# Allegro board RK_EVB7_RK3588_LP4XD200P232SD8_V11_20230111YWQ.brd (continued)
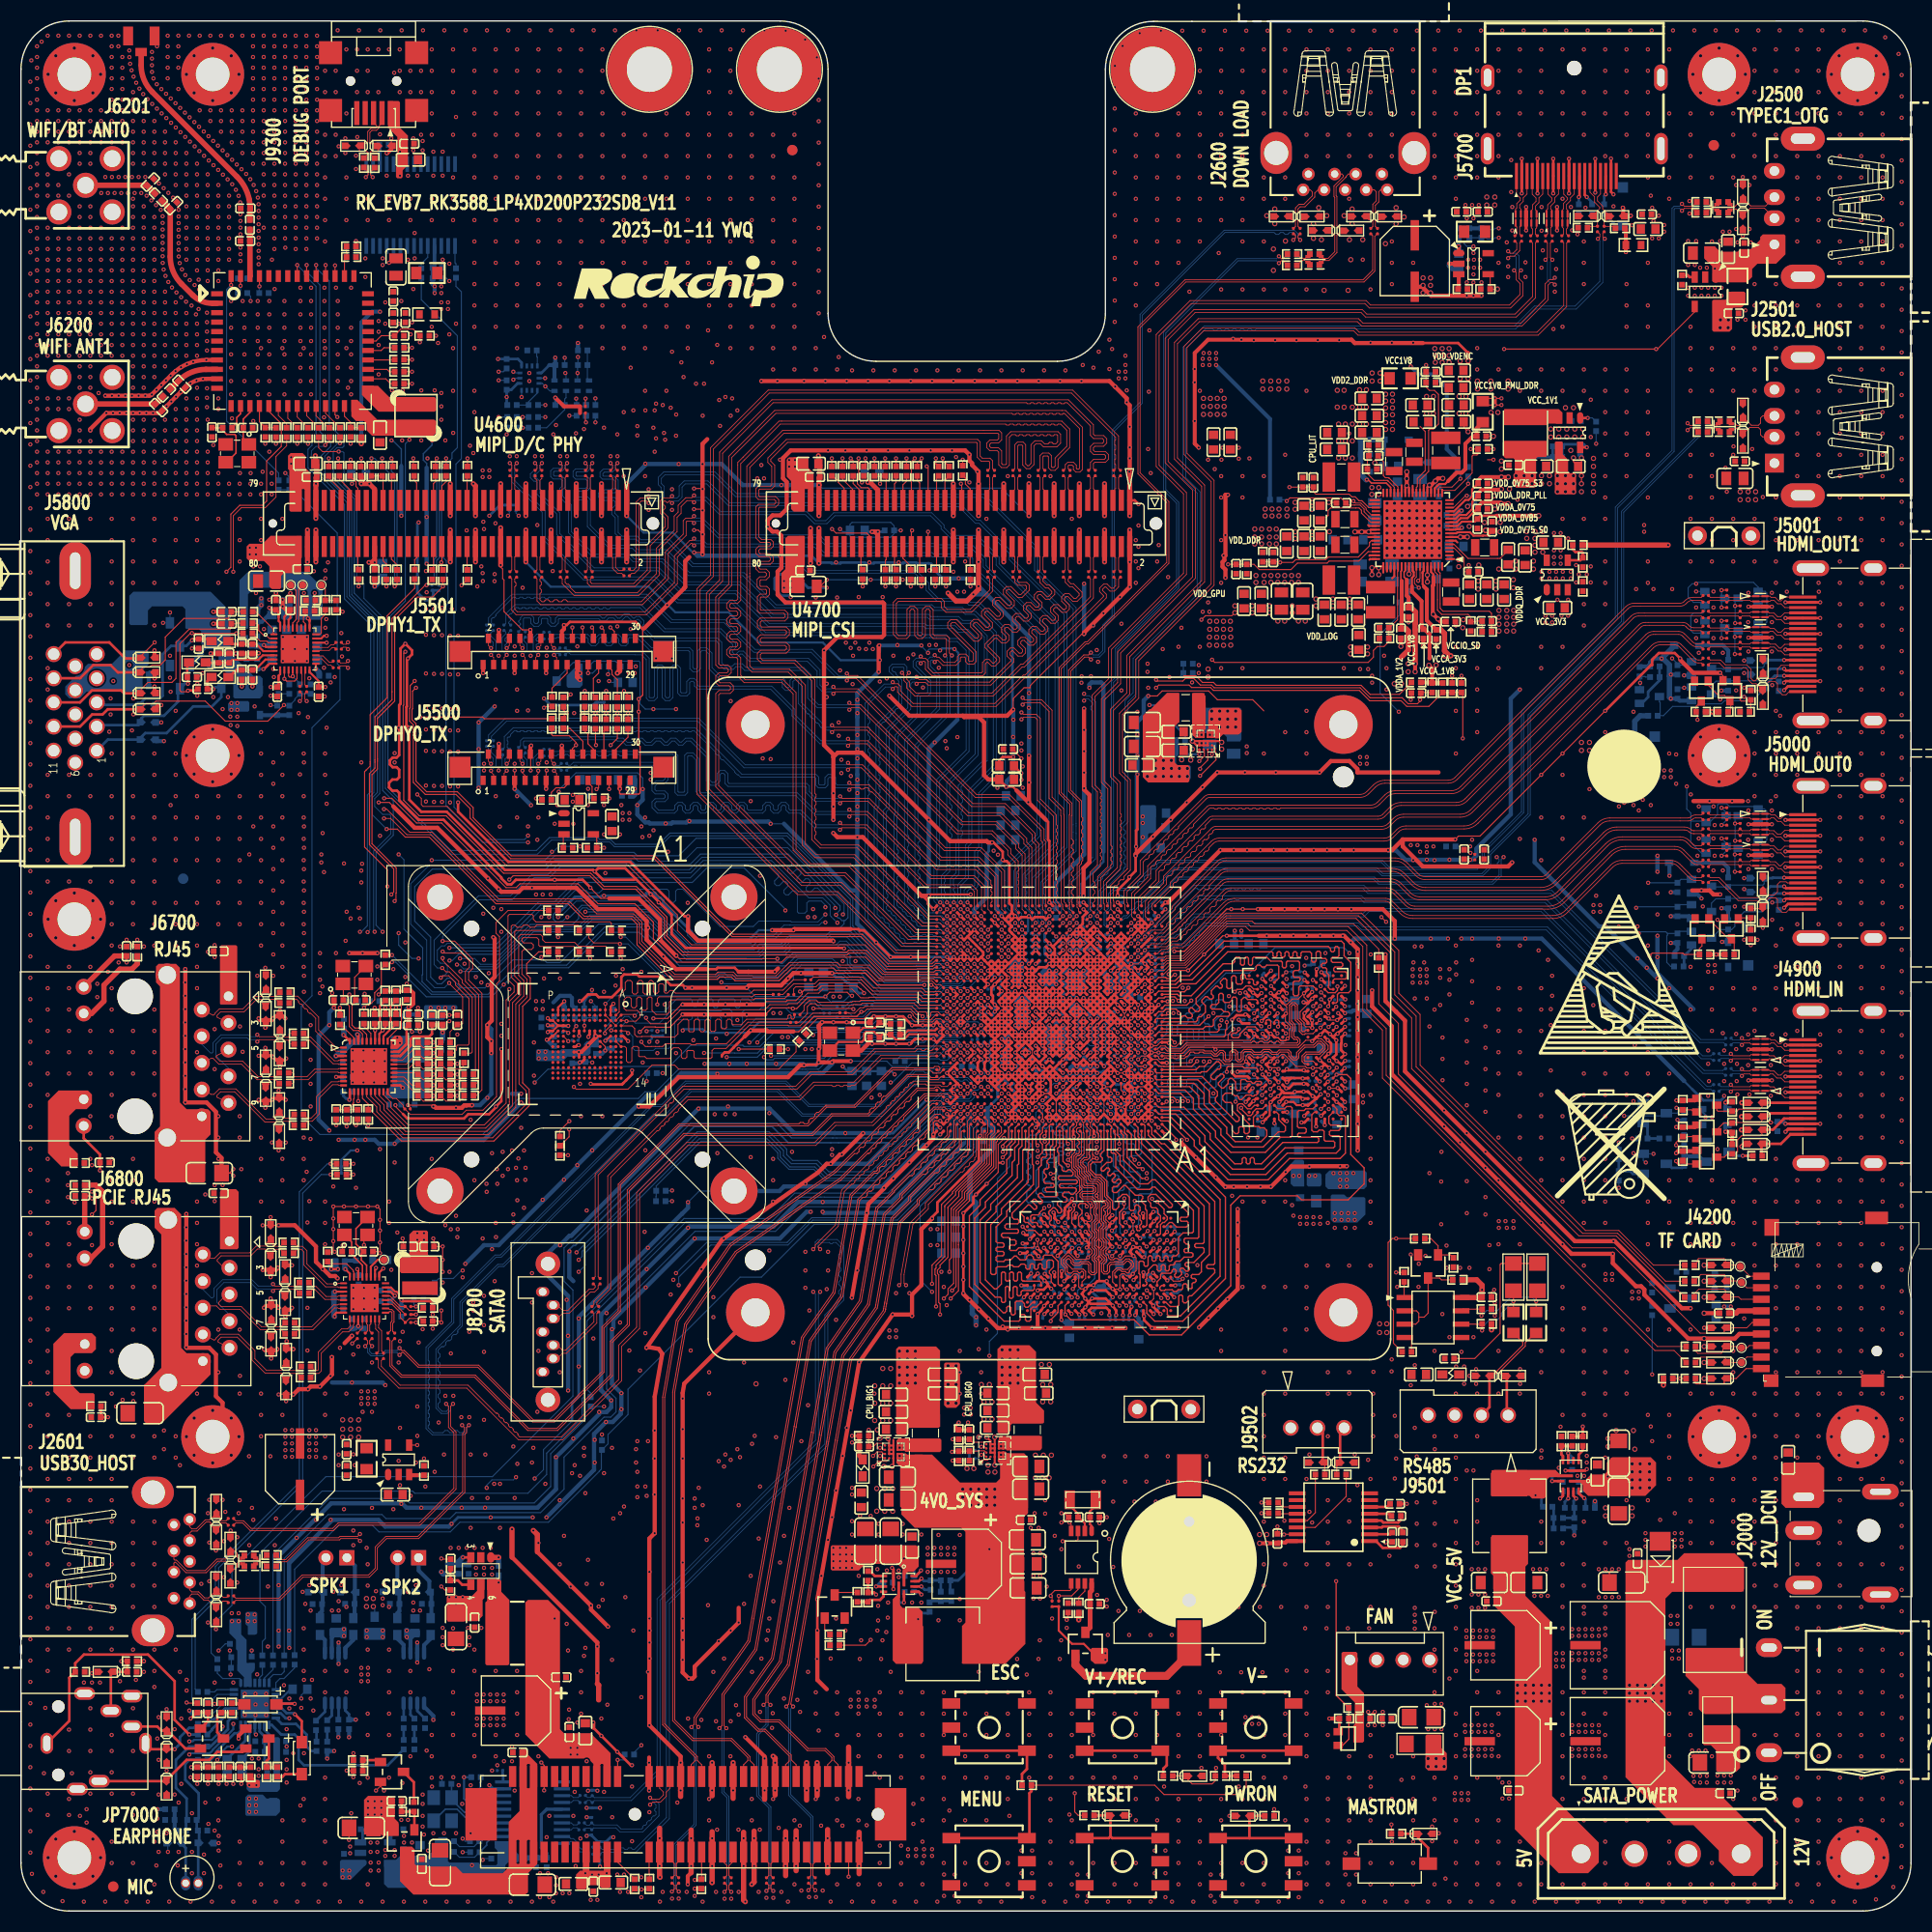
[diagram p0: board, top side]
## Routing (per net, layer and track width the routed paths; a pad name or vN(x,y) marks a point on that pad's centre or on a via; arc(x,y) is an arc through that point) (continued)
v1(73.66,163.07) v1(73.66,161.04) v1(73.66,159) v1(73.66,156.97) v1(73.66,154.94) v1(73.66,152.91) v1(73.66,150.88) v1(73.66,148.84) v1(73.66,146.81) v1(73.66,8.64) v1(73.66,2.54) v1(73.94,20.11) v1(74.17,8.13) v1(74.19,18.96) v1(74.32,44.74) v1(74.32,1.95) v1(74.68,178.23) v1(74.7,62.78) v1(74.96,48.17) v1(74.96,22.77) v1(75.06,1.33) v1(75.69,148.84) v1(75.69,146.81) v1(75.69,125.1) v1(75.69,20.83) v1(75.69,18.8) v1(75.69,10.67) v1(75.71,1.33) v1(75.8,176.54) v1(75.82,24) v1(75.97,174.51) v1(75.97,172.48) v1(75.97,17.19) v1(76.23,31.92) v1(76.2,8.13) v1(76.35,1.95) v1(76.73,116.88) v1(76.73,115.61) v1(76.86,139.11) v1(76.86,62.78) v1(76.86,35.35) v1(77.11,24.04) v1(77.11,0.89) v1(77.24,37.51) v1(77.38,106.45) v1(77.38,105.18) v1(77.62,128.44) v1(77.62,56.3) v1(77.62,40.05) v1(77.72,146.81) v1(77.72,125.1) v1(77.72,20.83) v1(77.72,18.8) v1(77.72,16.76) v1(77.72,10.67) v1(77.72,8.64) v1(77.72,2.54) v1(77.88,113.2) v1(78,118.15) v1(78.13,109.64) v1(78.13,108.37) v1(78.23,8.13) v1(78.51,139.11) v1(78.56,120.79) v1(78.64,46.01) v1(79.02,47.67) v1(79.15,37.12) v1(79.15,35.85) v1(79.14,0.89) v1(79.2,116.84) v1(79.45,120.79) v1(79.65,115.36) v1(79.65,114.09) v1(79.65,110.66) v1(79.65,109.77) v1(79.65,107.74) v1(79.65,106.47) v1(79.65,105.2) v1(79.65,103.93) v1(79.78,125.14) v1(79.78,31.92) v1(79.76,20.83) v1(79.76,18.8) v1(79.76,16.76) v1(79.76,14.73) v1(79.76,10.67) v1(79.76,8.64) v1(79.76,2.54) v1(79.88,24) v1(79.91,37.63) v1(80.01,25.78) v1(80.54,139.11) v1(80.54,8.17) v1(80.8,128.44) v1(80.8,120.79) v1(80.92,126.79) v1(80.92,37.63) v1(81.01,77.47) v1(81.17,0.89) v1(81.28,49.28) v1(81.31,13.12) v1(81.56,32.55) v1(81.69,36.87) v1(81.69,35.85) v1(81.63,29.07) v1(81.79,77.72) v1(81.79,20.83) v1(81.79,18.8) v1(81.79,16.76) v1(81.79,14.73) v1(81.79,12.7) v1(81.79,6.22) v1(81.79,4.57) v1(81.79,2.54) v1(81.92,24) v1(82.07,125.14) v1(82.04,25.78) v1(82.45,117.39) v1(82.46,32.43) v1(82.58,139.11) v1(82.58,29.38) v1(82.83,22.77) v1(83.2,0.89) v1(83.46,120.56) v1(83.59,128.44) v1(83.59,32.43) v1(83.59,31.79) v1(83.82,20.83) v1(83.82,18.8) v1(83.82,16.76) v1(83.82,14.73) v1(83.82,12.7) v1(83.82,6.22) v1(83.82,4.57) v1(83.82,2.54) v1(83.97,126.79) v1(83.97,36.87) v1(83.97,35.85) v1(84.48,119.29) v1(84.61,139.11) v1(84.86,29.38) v1(84.99,119.67) v1(84.99,10.2) v1(84.99,8.3) v1(85.23,0.89) v1(85.75,35.85) v1(85.75,29.38) v1(85.85,20.83) v1(85.85,18.8) v1(85.85,16.76) v1(85.85,14.73) v1(85.85,12.7) v1(85.85,10.67) v1(85.85,8.64) v1(85.85,6.6) v1(85.85,4.57) v1(85.85,2.54) v1(85.9,116.53) v1(86.35,34.58) v1(86.35,33.95) v1(86.35,32.3) v1(86.64,139.11) v1(86.99,34.58) v1(86.99,33.95) v1(86.99,32.3) v1(87.27,0.89) v1(87.38,35.81) v1(87.41,118.4) v1(87.66,60.87) v1(87.62,34.58) v1(87.62,33.95) v1(87.62,32.3) v1(87.88,59.44) v1(87.88,20.83) v1(87.88,18.8) v1(87.88,16.76) v1(87.88,12.7) v1(87.88,10.67) v1(87.88,8.64) v1(87.88,4.57) v1(87.91,3.47) v1(87.91,1.44) v1(88.16,57.7) v1(88.26,34.58) v1(88.26,33.95) v1(88.26,32.3) v1(88.42,9.57) v1(88.89,34.58) v1(88.89,33.95) v1(88.89,32.3) v1(88.93,3.47) v1(88.93,1.44) v1(89.18,111.8) v1(89.3,0.89) v1(89.41,53.34) v1(89.41,51.31) v1(89.41,49.28) v1(89.41,35.81) v1(89.41,29.72) v1(89.92,128.52) v1(89.92,20.83) v1(89.92,18.8) v1(89.92,16.76) v1(89.92,14.73) v1(89.92,12.7) v1(89.92,10.67) v1(89.92,8.64) v1(89.92,4.57) v1(89.92,2.54) v1(91.08,137.07) v1(91.21,53.51) v1(91.21,22.77) v1(91.33,0.89) v1(91.44,51.31) v1(91.44,49.28) v1(91.95,132.59) v1(91.95,55.37) v1(91.95,20.83) v1(91.95,18.8) v1(91.95,16.76) v1(91.95,14.73) v1(91.95,12.7) v1(91.95,10.67) v1(91.95,8.64) v1(91.95,4.57) v1(91.95,2.54) v1(92.74,83.7) v1(92.99,106.97) v1(93.36,0.89) v1(93.39,79.8) v1(93.5,72.3) v1(93.98,136.65) v1(93.98,55.37) v1(93.98,20.83) v1(93.98,18.8) v1(93.98,16.76) v1(93.98,14.73) v1(93.98,12.7) v1(93.98,10.67) v1(93.98,4.57) v1(93.98,2.54) v1(94.13,9.06) v1(94.51,113.45) v1(94.87,24) v1(95.28,5.76) v1(95.28,3.6) v1(95.28,1.31) v1(95.34,77.2) v1(95.78,22.52) v1(95.99,114.59) v1(96.01,20.83) v1(96.01,18.8) v1(96.01,16.76) v1(96.01,12.7) v1(96.16,36.49) v1(96.29,5.76) v1(96.29,3.6) v1(96.29,1.31) v1(96.42,34.08) v1(96.42,31.92) v1(96.42,29.76) v1(96.55,37.89) v1(96.64,79.15) v1(96.82,72.4) v1(96.8,71.29) v1(96.93,36.49) v1(96.9,24) v1(97.05,34.08) v1(97.05,31.92) v1(97.05,29.76) v1(97.03,25.78) v1(97.43,0.89) v1(97.54,39.12) v1(97.54,37.85) v1(97.54,33.78) v1(97.69,30.9) v1(98.04,136.65) v1(98.04,20.83) v1(98.04,18.8) v1(98.04,16.76) v1(98.04,14.73) v1(98.04,12.7) v1(98.04,10.67) v1(98.04,8.64) v1(98.04,6.6) v1(98.04,4.57) v1(98.04,2.54) v1(98.2,27.85) v1(98.45,35.73) v1(98.59,90.85) v1(98.93,24) v1(99.09,34.46) v1(99.06,25.78) v1(99.46,0.89) v1(99.72,72.56) v1(99.85,9.18) v1(100.08,132.59) v1(100.08,18.8) v1(100.08,16.76) v1(100.08,14.73) v1(100.08,12.7) v1(100.08,8.64) v1(100.08,6.6) v1(100.08,4.57) v1(100.08,2.54) v1(100.61,3.47) v1(100.61,1.44) v1(100.74,32.81) v1(101.49,0.89) v1(101.63,3.47) v1(101.63,1.44) v1(102.13,146.98) v1(102.11,122.43) v1(102.11,20.83) v1(102.11,18.8) v1(102.11,16.76) v1(102.11,12.7) v1(102.11,10.67) v1(102.11,4.57) v1(102.45,120.09) v1(102.49,90.2) v1(102.46,72.76) v1(102.49,30.1) v1(102.58,118.97) v1(102.9,56.94) v1(103.15,127.04) v1(103.14,86.3) v1(103.12,43.31) v1(103.12,40.89) v1(103.4,29.63) v1(103.4,29) v1(103.51,26.29) v1(103.52,0.89) v1(103.66,146.85) v1(103.63,35.43) v1(103.91,148.76) v1(104.01,38.99) v1(104.01,32.77) v1(104.18,175.73) v1(104.17,173.7) v1(104.14,20.83) v1(104.14,18.8) v1(104.14,16.76) v1(104.14,14.73) v1(104.14,12.7) v1(104.14,10.67) v1(104.14,4.57) v1(104.14,2.54) v1(104.52,28.58) v1(104.67,125.14) v1(104.6,72.56) v1(104.8,122.6) v1(104.8,116.25) v1(104.92,177.62) v1(105.08,67.86) v1(105.18,148.12) v1(105.16,43.31) v1(105.16,40.89) v1(105.31,144.82) v1(105.54,26.29) v1(105.55,0.89) v1(105.66,35.43) v1(106.05,38.99) v1(106.05,32.77) v1(106.17,171.2) v1(106.17,169.16) v1(106.17,167.13) v1(106.17,165.1) v1(106.17,163.07) v1(106.17,161.04) v1(106.17,159) v1(106.17,156.97) v1(106.17,154.94) v1(106.17,152.91) v1(106.17,130.56) v1(106.17,128.52) v1(106.17,126.49) v1(106.17,20.83) v1(106.17,18.8) v1(106.17,16.76) v1(106.17,14.73) v1(106.17,12.7) v1(106.17,10.67) v1(106.17,8.64) v1(106.17,4.57) v1(106.17,2.54) v1(106.32,114.21) v1(106.32,112.05) v1(106.32,110.02) v1(106.43,131.95) v1(106.43,129.92) v1(106.43,127.89) v1(106.48,71.16) v1(106.55,178.84) v1(106.55,28.58) v1(107.19,43.31) v1(107.19,40.89) v1(107.29,118.79) v1(107.28,118.01) v1(107.21,70.27) v1(107.34,139.23) v1(107.35,116.5) v1(107.47,150.54) v1(107.42,144.69) v1(107.57,26.29) v1(107.59,0.89) v1(107.59,136.95) v1(107.72,67.83) v1(107.7,35.43) v1(107.98,5.76) v1(107.98,3.6) v1(107.98,1.31) v1(108.08,38.99) v1(108.08,32.77) v1(108.2,169.16) v1(108.2,167.13) v1(108.2,165.1) v1(108.2,163.07) v1(108.2,161.04) v1(108.2,159) v1(108.2,156.97) v1(108.2,154.94) v1(108.2,128.52) v1(108.2,20.83) v1(108.2,18.8) v1(108.2,16.76) v1(108.2,10.67) v1(108.2,8.64) v1(108.36,130.09) v1(108.56,179.07) v1(108.59,28.58) v1(108.74,120.18) v1(108.86,11.85) v1(108.99,5.76) v1(108.99,3.6) v1(108.99,1.31) v1(109.25,127.04) v1(109.22,43.31) v1(109.22,40.89) v1(109.5,103.93) v1(109.63,77.1) v1(109.6,26.29) v1(109.62,0.89) v1(109.7,86.68) v1(109.75,85.51) v1(109.73,35.43) v1(110.11,38.99) v1(110.11,32.77) v1(110.24,171.2) v1(110.24,169.16) v1(110.24,167.13) v1(110.24,165.1) v1(110.24,163.07) v1(110.24,161.04) v1(110.24,159) v1(110.24,156.97) v1(110.24,120.4) v1(110.24,20.83) v1(110.24,18.8) v1(110.24,16.76) v1(110.24,14.73) v1(110.24,10.67) v1(110.24,8.64) v1(110.24,6.6) v1(110.24,4.57) v1(110.24,2.54) v1(110.52,122.21) v1(110.6,179.07) v1(110.62,28.58) v1(110.83,86.67) v1(111.02,105.58) v1(111.28,154.22) v1(111.53,117.01) v1(111.65,0.89) v1(112.17,118.66) v1(112.17,117.9) v1(112.27,177.29) v1(112.27,175.26) v1(112.27,173.23) v1(112.27,171.2) v1(112.27,169.16) v1(112.27,167.13) v1(112.27,165.1) v1(112.27,163.07) v1(112.27,161.04) v1(112.27,159) v1(112.27,144.78) v1(112.27,120.4) v1(112.27,20.83) v1(112.27,18.8) v1(112.27,16.76) v1(112.27,14.73) v1(112.27,10.67) v1(112.27,8.64) v1(112.27,6.6) v1(112.27,4.57) v1(112.27,2.54) v1(112.42,13.63) v1(112.63,179.07) v1(112.65,80.91) v1(112.8,39.03) v1(112.8,35.47) v1(112.9,43.31) v1(112.9,40.89) v1(113.06,124.63) v1(113.31,3.47) v1(113.31,1.44) v1(113.68,0.89) v1(113.92,28.96) v1(114.07,157.9) v1(114.17,22.73) v1(114.3,177.29) v1(114.3,175.26) v1(114.3,173.23) v1(114.3,171.2) v1(114.3,169.16) v1(114.3,167.13) v1(114.3,165.1) v1(114.3,163.07) v1(114.3,161.04) v1(114.3,154.43) v1(114.3,144.78) v1(114.33,138.22) v1(114.3,136.65) v1(114.3,134.62) v1(114.3,130.56) v1(114.3,126.49) v1(114.3,118.36) v1(114.3,55.37) v1(114.3,53.34) v1(114.3,20.83) v1(114.3,18.8) v1(114.3,16.76) v1(114.3,10.67) v1(114.3,8.64) v1(114.3,4.57) v1(114.33,3.47) v1(114.33,1.44) v1(114.43,139.36) v1(114.66,179.07) v1(115.44,149.73) v1(115.71,0.89) v1(115.98,139.36) v1(115.98,138.31) v1(115.95,28.96) v1(115.98,11.85) v1(116.21,22.73) v1(116.33,177.29) v1(116.33,175.26) v1(116.33,173.23) v1(116.33,171.2) v1(116.33,169.16) v1(116.33,167.13) v1(116.33,165.1) v1(116.33,163.07) v1(116.33,161.04) v1(116.33,159) v1(116.33,154.43) v1(116.33,136.65) v1(116.33,134.62) v1(116.33,118.36) v1(116.33,67.56) v1(116.33,59.44) v1(116.33,20.83) v1(116.33,14.73) v1(116.33,10.67) v1(116.33,4.57) v1(116.33,2.54) v1(116.69,179.08) v1(116.74,110.91) v1(116.74,110.28) v1(116.99,138.34) v1(117.41,149.61) v1(117.75,0.89) v1(117.98,28.96) v1(118.24,22.73) v1(118.36,177.29) v1(118.36,175.26) v1(118.36,173.23) v1(118.36,171.2) v1(118.36,165.1) v1(118.36,163.07) v1(118.36,159) v1(118.36,154.43) v1(118.36,136.65) v1(118.36,110.24) v1(118.36,67.56) v1(118.36,59.44) v1(118.36,51.31) v1(118.36,49.28) v1(118.36,47.24) v1(118.36,45.21) v1(118.36,43.18) v1(118.36,41.15) v1(118.36,37.08) v1(118.36,33.02) v1(118.36,30.99) v1(118.36,20.83) v1(118.36,16.76) v1(118.36,14.73) v1(118.36,12.7) v1(118.36,10.67) v1(118.36,4.57) v1(118.36,2.54) v1(118.72,179.08) v1(119.44,149.61) v1(119.78,0.89) v1(120.02,28.96) v1(120.32,37.17) v1(120.4,177.29) v1(120.4,175.26) v1(120.4,173.23) v1(120.4,171.2) v1(120.4,165.1) v1(120.4,163.07) v1(120.4,154.43) v1(120.4,138.68) v1(120.4,112.27) v1(120.4,69.6) v1(120.4,67.56) v1(120.4,59.44) v1(120.4,55.37) v1(120.4,53.34) v1(120.4,49.28) v1(120.4,43.18) v1(120.4,41.15) v1(120.4,33.02) v1(120.4,20.83) v1(120.4,18.8) v1(120.4,16.76) v1(120.4,12.7) v1(120.4,8.64) v1(120.52,88.76) v1(120.55,22.9) v1(120.68,5.76) v1(120.68,3.6) v1(120.68,1.31) v1(120.76,179.08) v1(121.06,89.98) v1(121.06,67.22) v1(121.18,66.22) v1(121.47,149.61) v1(121.69,5.76) v1(121.69,3.6) v1(121.69,1.31) v1(122.3,26.92) v1(122.33,11.85) v1(122.43,177.29) v1(122.43,175.26) v1(122.43,173.23) v1(122.43,171.2) v1(122.43,169.16) v1(122.43,167.13) v1(122.43,154.43) v1(122.43,144.78) v1(122.43,114.3) v1(122.43,112.27) v1(122.43,110.24) v1(122.43,61.47) v1(122.43,59.44) v1(122.43,57.4) v1(122.43,55.37) v1(122.43,41.15) v1(122.43,33.02) v1(122.43,28.96) v1(122.43,22.86) v1(122.43,20.83) v1(122.43,18.8) v1(122.43,16.76) v1(122.43,14.73) v1(122.43,10.67) v1(122.43,8.64) v1(122.43,6.6) v1(122.43,4.57) v1(122.43,2.54) v1(122.79,179.08) v1(122.71,43.47) v1(122.71,38.01) v1(122.96,37) v1(123.51,149.61) v1(123.77,88.08) v1(123.84,0.89) v1(124.33,26.92) v1(124.46,177.29) v1(124.46,175.26) v1(124.46,173.23) v1(124.46,171.2) v1(124.46,169.16) v1(124.46,167.13) v1(124.46,65.53) v1(124.46,61.47) v1(124.46,51.31) v1(124.46,49.28) v1(124.46,45.21) v1(124.46,39.12) v1(124.46,37.08) v1(124.46,35.05) v1(124.46,33.02) v1(124.46,28.96) v1(124.46,22.86) v1(124.46,20.83) v1(124.46,16.76) v1(124.46,12.7) v1(124.46,10.67) v1(124.46,8.64) v1(124.46,6.6) v1(124.46,4.57) v1(124.46,2.54) v1(124.82,179.08) v1(125.12,65.06) v1(125.54,149.61) v1(125.87,0.89) v1(125.98,118.36) v1(126.14,65.06) v1(126.14,5.5) v1(126.14,3.47) v1(126.37,26.92) v1(126.49,177.29) v1(126.49,175.26) v1(126.49,173.23) v1(126.49,171.2) v1(126.49,169.16) v1(126.49,167.13) v1(126.49,163.07) v1(126.49,140.72) v1(126.49,61.47) v1(126.49,51.31) v1(126.49,49.28) v1(126.49,39.12) v1(126.49,37.08) v1(126.49,33.02) v1(126.49,14.73) v1(126.49,12.7) v1(126.49,10.67) v1(126.49,8.64) v1(126.49,6.6) v1(126.49,2.54) v1(126.85,179.08) v1(127.03,65.06) v1(127.03,43.47) v1(127.15,5.5) v1(127.15,3.47) v1(127.79,157.27) v1(127.81,77.64) v1(127.81,77) v1(127.91,0.89) v1(128.3,42.97) v1(128.4,26.92) v1(128.52,177.29) v1(128.52,175.26) v1(128.52,173.23) v1(128.52,171.2) v1(128.52,169.16) v1(128.52,167.13) v1(128.52,154.43) v1(128.52,149.35) v1(128.55,91.1) v1(128.52,83.82) v1(128.52,81.79) v1(128.52,79.76) v1(128.52,77.72) v1(128.52,75.69) v1(128.52,73.66) v1(128.52,71.63) v1(128.52,69.6) v1(128.52,67.56) v1(128.52,65.53) v1(128.52,61.47) v1(128.52,41.15) v1(128.52,33.02) v1(128.52,28.96) v1(128.52,16.76) v1(128.52,14.73) v1(128.52,12.7) v1(128.55,11.85) v1(128.52,10.67) v1(128.52,8.64) v1(128.52,6.6) v1(128.52,4.57) v1(128.52,2.54) v1(128.78,49.28) v1(128.78,47.24) v1(128.78,45.21) v1(128.88,179.08) v1(128.8,51.35) v1(129.94,0.89) v1(130.05,118.36) v1(130.05,116.33) v1(130.56,177.29) v1(130.56,175.26) v1(130.56,173.23) v1(130.56,171.2) v1(130.56,169.16) v1(130.56,167.13) v1(130.56,159) v1(130.56,156.97) v1(130.56,154.94) v1(130.56,149.35) v1(130.54,52.53) v1(130.53,51.39) v1(130.56,14.73) v1(130.56,10.67) v1(130.56,6.6) v1(130.56,4.57) v1(130.56,2.54) v1(130.84,47.16) v1(130.84,41.19) v1(130.92,179.08) v1(130.96,43.09) v1(131.06,59.44) v1(131.97,0.89) v1(132.36,62.52) v1(132.36,50.08) v1(132.59,177.29) v1(132.59,175.26) v1(132.59,173.23) v1(132.59,171.2) v1(132.59,156.97) v1(132.59,149.35) v1(132.59,100.08) v1(132.59,14.73) v1(132.59,12.7) v1(132.59,10.67) v1(132.59,8.64) v1(132.59,6.6) v1(132.59,4.57) v1(132.59,2.54) v1(132.61,90.34) v1(132.74,86.91) v1(132.74,51.98) v1(132.95,179.09) v1(133.12,61.64) v1(133.1,59.44) v1(133.63,90.34) v1(133.76,62.4) v1(133.88,86.91) v1(133.88,19.6) v1(134.01,17.31) v1(134,0.89) v1(134.14,84.24) v1(134.39,8.04) v1(134.39,6.64) v1(134.62,177.29) v1(134.62,175.26) v1(134.62,173.23) v1(134.62,171.2) v1(134.62,169.16) v1(134.62,167.13) v1(134.62,165.1) v1(134.62,100.08) v1(134.62,85.85) v1(134.62,53.34) v1(134.62,45.21) v1(134.62,26.92) v1(134.62,24.89) v1(134.62,22.86) v1(134.62,20.83) v1(134.65,19.73) v1(134.65,17.31) v1(134.62,12.7) v1(134.62,10.67) v1(134.62,8.64) v1(134.62,2.54) v1(134.98,179.09) v1(135.03,7.41) v1(135.16,88.89) v1(135.16,86.29) v1(135.28,72.3) v1(135.26,69.47) v1(135.26,65.41) v1(135.28,19.73) v1(135.28,17.31) v1(135.38,83.19) v1(135.38,81.15) v1(135.38,79.12) v1(135.53,76.24) v1(135.53,74.72) v1(135.76,63.37) v1(135.79,61.25) v1(136.04,89.7) v1(136.04,88.69) v1(136.04,87.29) v1(136.04,54.65) v1(136.03,0.89) v1(136.65,177.29) v1(136.65,175.26) v1(136.65,173.23) v1(136.65,171.2) v1(136.65,169.16) v1(136.65,167.13) v1(136.65,165.1) v1(136.65,163.07) v1(136.65,122.43) v1(136.65,120.4) v1(136.65,118.36) v1(136.65,114.3) v1(136.65,110.24) v1(136.65,91.95) v1(136.68,90.34) v1(136.68,51.86) v1(136.65,49.28) v1(136.65,45.21) v1(136.65,43.18) v1(136.65,41.15) v1(136.65,37.08) v1(136.65,35.05) v1(136.65,33.02) v1(136.65,30.99) v1(136.65,28.96) v1(136.65,26.92) v1(136.65,24.89) v1(136.65,22.86) v1(136.65,18.8) v1(136.65,16.76) v1(136.65,14.73) v1(136.65,12.7) v1(136.65,8.64) v1(136.65,6.6) v1(136.65,4.57) v1(136.65,2.54) v1(137.01,179.09) v1(137.06,61.25) v1(137.19,53.25) v1(137.44,51.86) v1(137.44,50.21) v1(137.57,162.47) v1(137.53,17.69) v1(137.53,17.06) v1(137.53,15.41) v1(137.53,14.77) v1(137.66,26.71) v1(137.66,26.08) v1(137.66,24.42) v1(137.66,23.79) v1(137.69,161.2) v1(137.69,155.11) v1(137.82,157.27) v1(137.82,156.5) v1(137.95,61.25) v1(137.95,50.97) v1(138.07,0.89) v1(138.17,32.55) v1(138.17,30.14) v1(138.17,28.87) v1(138.17,17.69) v1(138.17,17.06) v1(138.17,15.41) v1(138.17,14.77) v1(138.2,162.47) v1(138.2,102.02) v1(138.33,161.2) v1(138.33,157.9) v1(138.38,157.27) v1(138.38,156.5) v1(138.33,155.87) v1(138.33,155.11) v1(138.33,54.65) v1(138.29,26.71) v1(138.29,26.08) v1(138.29,24.42) v1(138.29,23.79) v1(138.58,51.6) v1(138.58,50.21) v1(138.68,177.29) v1(138.68,175.26) v1(138.68,173.23) v1(138.68,171.2) v1(138.68,169.16) v1(138.68,167.13) v1(138.68,165.1) v1(138.68,148.84) v1(138.68,146.81) v1(138.68,120.4) v1(138.68,118.36) v1(138.68,116.33) v1(138.68,114.3) v1(138.68,112.27) v1(138.68,49.28) v1(138.68,45.21) v1(138.68,39.12) v1(138.68,37.08) v1(138.68,35.05) v1(138.68,22.86) v1(138.68,20.83) v1(138.68,18.8) v1(138.68,12.7) v1(138.68,8.64) v1(138.68,6.6) v1(138.68,4.57) v1(138.68,2.54) v1(138.84,162.47) v1(138.8,32.55) v1(138.8,30.14) v1(138.8,28.87) v1(138.8,17.69) v1(138.8,17.06) v1(138.8,15.41) v1(138.8,14.77) v1(138.96,157.27) v1(138.96,156.5) v1(138.93,26.71) v1(138.93,26.08) v1(138.93,24.42) v1(138.93,23.79) v1(139.04,179.09) v1(139.09,155.11) v1(139.44,32.55) v1(139.44,30.14) v1(139.44,28.87) v1(139.44,17.69) v1(139.44,17.06) v1(139.44,15.41) v1(139.44,14.77) v1(139.56,26.71) v1(139.56,26.08) v1(139.56,24.42) v1(139.56,23.79) v1(140.07,17.69) v1(140.07,17.06) v1(140.07,15.41) v1(140.07,14.77) v1(140.1,0.89) v1(140.2,26.71) v1(140.2,26.08) v1(140.2,24.42) v1(140.2,23.79) v1(140.36,57.95) v1(140.36,56.68) v1(140.72,177.29) v1(140.72,175.26) v1(140.72,173.23) v1(140.72,171.2) v1(140.72,169.16) v1(140.72,167.13) v1(140.72,165.1) v1(140.72,156.97) v1(140.72,146.81) v1(140.72,120.4) v1(140.72,118.36) v1(140.72,91.95) v1(140.72,87.88) v1(140.72,85.85) v1(140.72,83.82) v1(140.72,81.79) v1(140.72,79.76) v1(140.72,77.72) v1(140.72,73.66) v1(140.72,69.6) v1(140.72,63.5) v1(140.72,53.34) v1(140.72,49.28) v1(140.72,20.83) v1(140.72,18.8) v1(140.72,16.76) v1(140.72,14.73) v1(140.72,12.7) v1(140.72,8.64) v1(140.72,6.6) v1(140.72,4.57) v1(140.72,2.54) v1(141.08,179.09) v1(141.09,12.23) v1(141.09,10.71) v1(141.5,158.92) v1(141.63,156.63) v1(141.63,155.62) v1(141.72,12.23) v1(141.72,10.71) v1(141.92,166.76) v1(141.92,163.71) v1(142.02,162.29) v1(142.02,160.05) v1(142.13,0.89) v1(142.75,177.29) v1(142.75,175.26) v1(142.75,173.23) v1(142.75,171.2) v1(142.75,169.16) v1(142.75,146.81) v1(142.75,144.78) v1(142.75,102.11) v1(142.75,91.95) v1(142.75,87.88) v1(142.75,85.85) v1(142.75,83.82) v1(142.75,81.79) v1(142.75,79.76) v1(142.75,75.69) v1(142.75,73.66) v1(142.75,71.63) v1(142.75,67.56) v1(142.75,63.5) v1(142.77,51.6) v1(142.77,50.21) v1(142.75,49.28) v1(142.75,6.6) v1(142.75,4.57) v1(142.75,2.54) v1(143.11,179.09) v1(143.28,157.01) v1(143.28,155.62) v1(144.01,32.55) v1(144.14,30.01) v1(144.16,0.89) v1(144.53,91.48) v1(144.64,32.55) v1(144.78,177.29) v1(144.78,175.26) v1(144.78,173.23) v1(144.78,171.2) v1(144.78,169.16) v1(144.78,146.81) v1(144.78,144.78) v1(144.78,120.4) v1(144.78,118.36) v1(144.78,104.14) v1(144.78,100.08) v1(144.78,87.88) v1(144.78,85.85) v1(144.78,83.82) v1(144.78,81.79) v1(144.78,77.72) v1(144.78,75.69) v1(144.78,73.66) v1(144.78,71.63) v1(144.78,69.6) v1(144.78,65.53) v1(144.78,53.34) v1(144.78,51.31) v1(144.78,43.18) v1(144.78,37.08) v1(144.78,35.05) v1(144.77,30.01) v1(144.78,4.57) v1(144.78,2.54) v1(144.82,162.29) v1(144.82,160.03) v1(144.81,156.5) v1(144.81,127.55) v1(144.81,126.91) v1(144.81,43.86) v1(144.93,158.16) v1(145.14,179.09) v1(145.28,32.55) v1(145.43,90.58) v1(145.41,30.01) v1(145.57,127.55) v1(145.57,126.91) v1(145.69,85.89) v1(145.69,84.37) v1(145.69,80.05) v1(145.82,89.07) v1(145.82,87.16) v1(145.95,150.66) v1(146.08,154.22) v1(146,131.23) v1(146,129.58) v1(146,128.95) v1(146,128.31) v1(146.2,158.16) v1(146.2,156.38) v1(146.2,127.55) v1(146.2,126.91) v1(146.19,0.89) v1(146.33,124.88) v1(146.46,42.2) v1(146.63,131.23) v1(146.63,129.58) v1(146.63,128.95) v1(146.63,128.31) v1(146.62,46.12) v1(146.71,123.36) v1(146.81,177.29) v1(146.81,173.23) v1(146.81,171.2) v1(146.81,169.16) v1(146.81,163.07) v1(146.81,150.88) v1(146.81,146.81) v1(146.81,144.78) v1(146.81,132.59) v1(146.84,127.55) v1(146.84,126.91) v1(146.81,120.4) v1(146.81,108.2) v1(146.81,104.14) v1(146.81,102.11) v1(146.81,77.72) v1(146.81,75.69) v1(146.81,73.66) v1(146.81,71.63) v1(146.81,69.6) v1(146.81,67.56) v1(146.81,63.5) v1(146.81,59.44) v1(146.81,57.4) v1(146.81,55.37) v1(146.81,53.34) v1(146.81,47.24) v1(146.81,35.05) v1(146.81,33.02) 